# Altium PCB Kasli-DIOT.PCBDOC (part 10 of 21)
Units mm, origin at the board's own origin, x right, y up, seen from the top; angles counter-clockwise.
Board outline 222.34 x 100 mm, 10 copper layers (TopLayer, Layer 2, Layer 3, Layer 4, Layer 5, Layer 6, Layer 7, layer 8, Layer 9, BottomLayer), stack 1.564 mm thick; 974 components, 908 nets, 4662 pads, 2649 vias.
Unrouted connection lines stored in the file: 17.
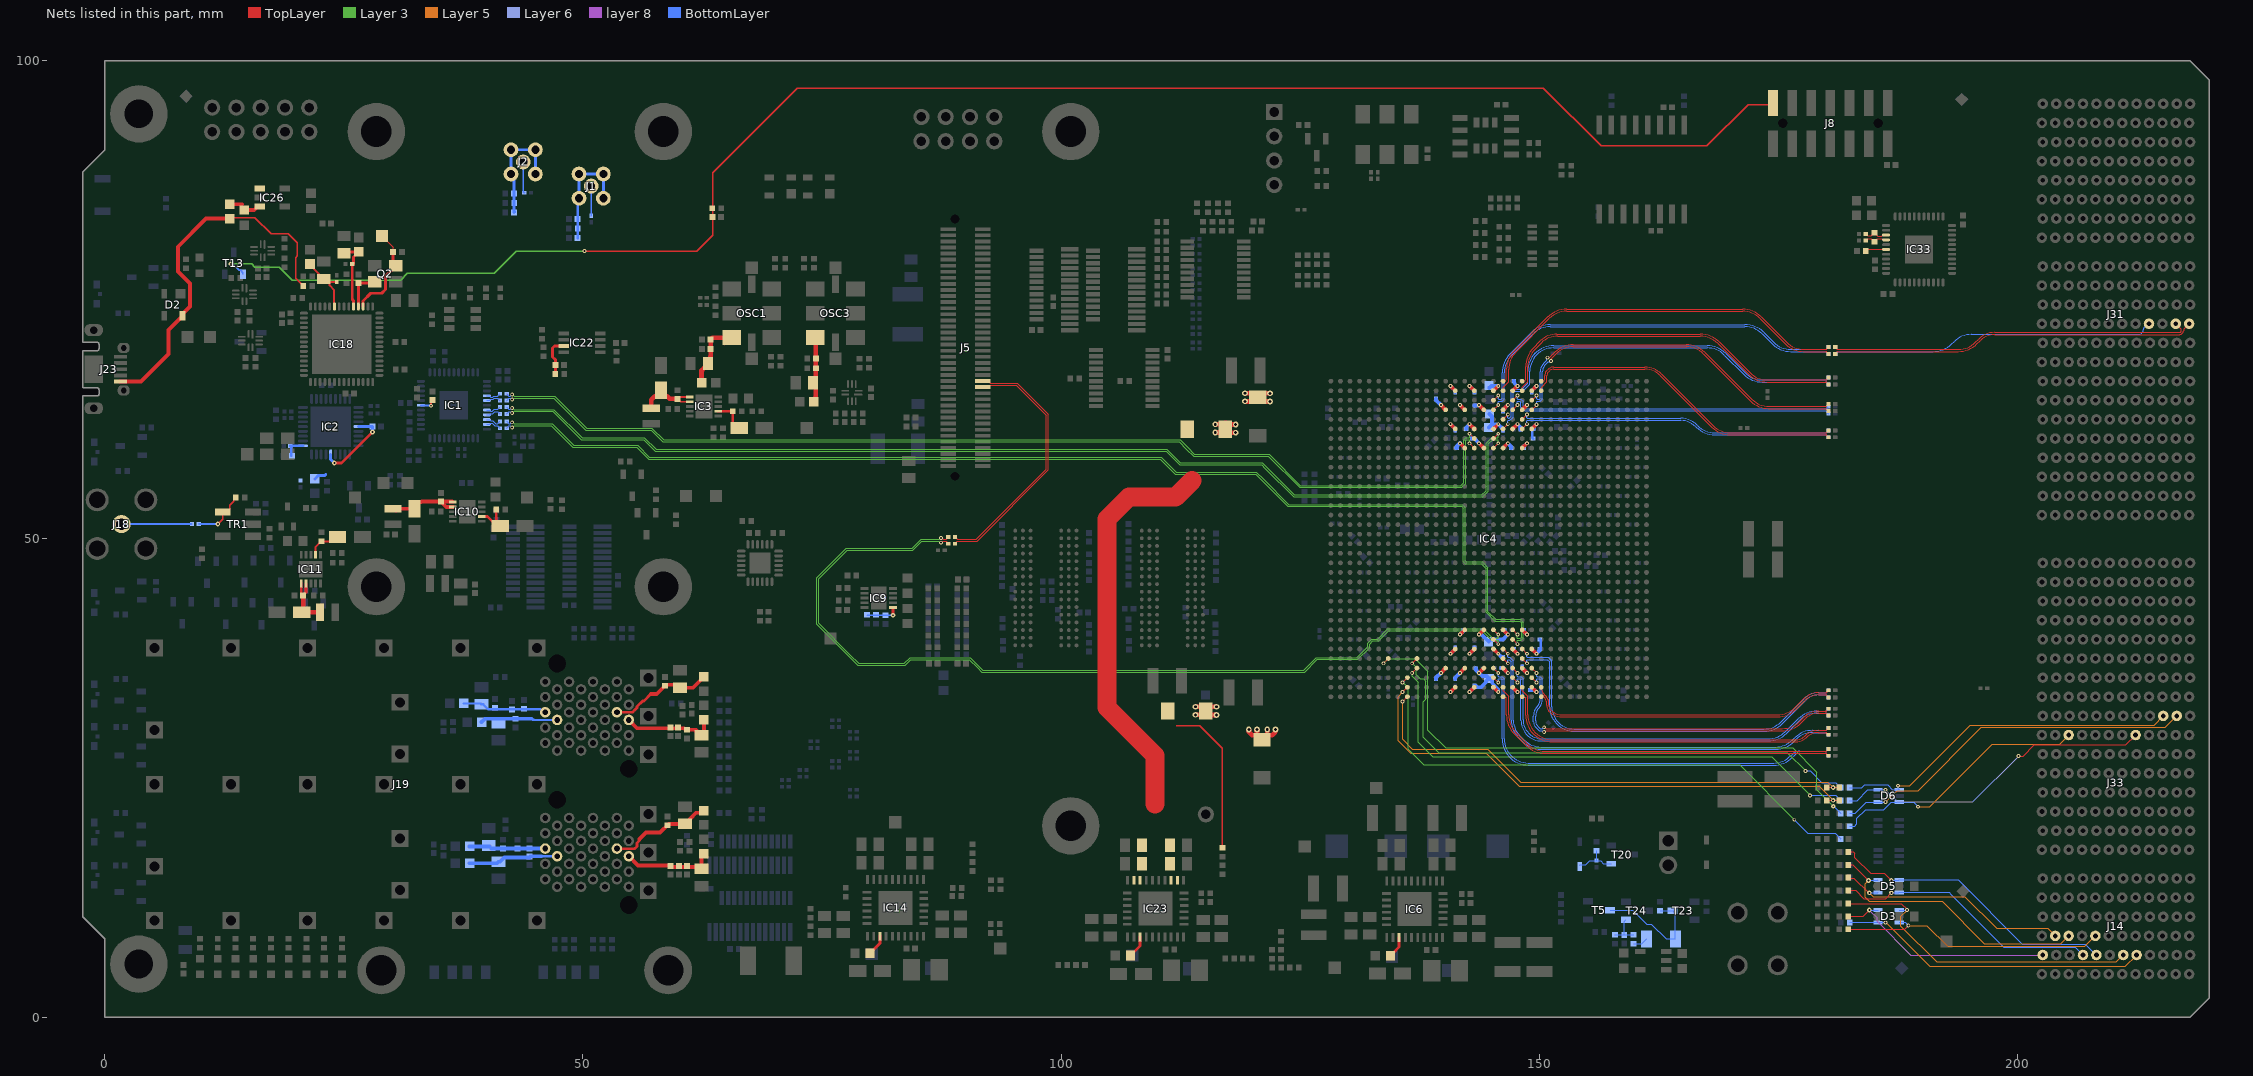
[diagram p18: the nets of this part, all layers, seen from the top]

## Via types
v1: diameter 0.4, hole 0.2, TopLayer to BottomLayer, tented both sides, 1661 vias
v2: diameter 0.5, hole 0.2, TopLayer to BottomLayer, tented both sides, 516 vias
v3: diameter 0.6, hole 0.3, TopLayer to BottomLayer, tented both sides, 175 vias
v4: diameter 0.6, hole 0.3, TopLayer to BottomLayer, 113 vias
v5: diameter 0.5, hole 0.2, TopLayer to BottomLayer, 110 vias
v6: diameter 0.4, hole 0.2, TopLayer to BottomLayer, 67 vias
v7: diameter 0.8, hole 0.5, TopLayer to BottomLayer, tented both sides, 7 vias

## Nets (pads, with @x,y where several pads share a name; then routed paths per layer and width w, separated by ;. In a path a pad name is that pad's centre, name@x,y a point inside that pad or via, vN(x,y) a via of type N, cw(c..) or ccw(c..) an arc to the next point about the centre after c; other vN are vias at no path point) (continued)
MGT8_RxC_P: C446.1 J31.D3 | length 34.1
  BottomLayer w0.095: C446.1@180.925,69.332 ccw(c180.925,69.393) 180.968,69.35 181.084,69.466 ccw(c181.04,69.511) 181.103,69.511 cw(c181.165,69.511) 181.121,69.555 cw(c181.211,69.466) 181.211,69.593 191.174,69.593 ccw(c191.174,72.353) 193.126,70.401 193.359,70.634 cw(c195.155,68.838) 195.155,71.378 212.628,71.378 ccw(c212.628,71.9) 213.15,71.9 cw(c213.588,71.9) 213.278,72.21 213.447,72.379 cw(c213.739,72.088) J31.D3@213.739,72.5
MGT8_Tx_N: C444.2 J31.B3 | length 37.9
  TopLayer w0.095: C444.2@180.925,70.075 cw(c180.925,70.015) 180.968,70.057 181.084,69.941 cw(c181.04,69.896) 181.103,69.896 ccw(c181.165,69.896) 181.121,69.852 ccw(c181.211,69.942) 181.211,69.815 193.799,69.815 ccw(c193.799,72.355) 195.595,70.559 195.943,70.907 cw(c197.615,69.235) 197.615,71.6 216.936,71.6 ccw(c216.936,71.792) 217.128,71.792 ccw(c216.84,71.792) 217.044,71.995 J31.B3@216.539,72.5
MGT8_Tx_P: C442.2 J31.A3 | length 38.3
  TopLayer w0.095: C442.2@180.925,69.332 ccw(c180.925,69.393) 180.968,69.35 181.084,69.466 ccw(c181.04,69.511) 181.103,69.511 cw(c181.165,69.511) 181.121,69.555 cw(c181.211,69.466) 181.211,69.593 193.8,69.593 ccw(c193.8,72.352) 195.751,70.401 196.1,70.75 cw(c197.616,69.234) 197.616,71.378 216.936,71.378 ccw(c216.936,71.792) 217.35,71.792 cw(c217.637,71.792) 217.434,71.995 J31.A3@217.939,72.5
MGT_CLK1.CLK_N: C402.2 IC4.AH20 | length 124.6
  TopLayer w0.095: IC4.AH20@147.2,39.5 v1(147.7,39)
  Layer 3 w0.075: v1(42.6,62.195) 42.644,62.195 42.806,62.033 46.772,62.033 49.029,59.775 55.725,59.775 56.944,58.556 108.65,58.556 110.455,58.556 111.418,57.593 112.036,56.975 120.411,56.975 121.109,56.277 123.784,53.602 125.898,53.602 138.484,53.602 141.959,53.602 142.068,53.493 142.25,53.311 142.25,47.7 142.3,47.65 142.348,47.602 144.009,47.602 144.168,47.443 144.625,46.986 144.625,42.402 145.425,41.602 148.034,41.602 148.218,41.418 148.336,41.3 148.336,39.634 148.1,39.399 147.744,39.399 147.7,39.355 v1(147.7,39)
  BottomLayer w0.095: C402.2@42.017,62.282 42.042,62.282 42.195,62.129 42.195,62.098 42.251,62.043 42.392,62.043 42.544,62.195 v1(42.6,62.195)
MGT_CLK1.CLK_P: C401.2 IC4.AG20 | length 123.9
  TopLayer w0.095: IC4.AG20@147.2,40.5 v1(147.7,40)
  Layer 3 w0.075: v1(42.6,61.668) 42.644,61.668 42.806,61.831 46.688,61.831 48.946,59.573 55.641,59.573 56.861,58.354 110.371,58.354 111.952,56.773 120.327,56.773 121.025,56.075 123.7,53.4 125.814,53.4 138.4,53.4 141.875,53.4 142.048,53.227 142.048,47.616 142.264,47.4 143.925,47.4 144.423,46.902 144.423,42.318 145.341,41.4 147.95,41.4 148.134,41.217 148.134,39.718 148.016,39.601 147.744,39.601 147.7,39.645 v1(147.7,40)
  BottomLayer w0.095: C401.2@42.017,61.582 42.042,61.582 42.195,61.734 42.195,61.765 42.251,61.821 42.392,61.821 42.544,61.668 v1(42.6,61.668)
MGT_CLK1_C_N: C402.1 IC1.42 | length 1.7
  BottomLayer w0.095: IC1.42@39.95,62.478 40.244,62.478 40.383,62.339 40.592,62.339 40.829,62.102 40.829,62.098 40.885,62.043 41.084,62.043 41.14,62.098 41.14,62.129 41.292,62.282 C402.1@41.317,62.282
MGT_CLK1_C_P: C401.1 IC1.43 | length 1.7
  BottomLayer w0.095: IC1.43@39.95,61.978 40.244,61.978 40.383,62.117 40.5,62.117 40.607,62.01 40.607,62.006 40.793,61.821 41.084,61.821 41.14,61.765 41.14,61.734 41.292,61.582 C401.1@41.317,61.582
MGT_CLK2.CLK_N: C14.2 IC4.G18 | length 114.1
  TopLayer w0.095: IC4.G18@145.2,60.5 v1(145.7,61)
  Layer 3 w0.075: v1(42.6,63.692) 42.644,63.692 42.806,63.53 46.945,63.53 49.9,60.575 56.425,60.575 57.644,59.356 110.275,59.356 111.055,59.356 111.893,58.518 112.461,57.95 121.036,57.95 121.384,57.602 124.386,54.6 126.5,54.6 144,54.6 144.448,55.048 144.448,60.033 145.016,60.601 145.656,60.601 145.7,60.645 v1(145.7,61)
  BottomLayer w0.095: C14.2@42.017,63.782 42.042,63.782 42.195,63.629 42.195,63.595 42.251,63.54 42.392,63.54 42.544,63.692 v1(42.6,63.692)
MGT_CLK2.CLK_P: C5.2 IC4.H18 | length 114.1
  TopLayer w0.095: IC4.H18@145.2,59.5 v1(145.7,60)
  Layer 3 w0.075: v1(42.6,63.165) 42.644,63.165 42.806,63.328 46.862,63.328 49.816,60.373 56.341,60.373 57.561,59.154 110.971,59.154 112.377,57.748 120.952,57.748 121.3,57.4 124.302,54.398 129.5,54.398 144.084,54.398 144.65,54.964 144.65,59.949 145.1,60.399 145.656,60.399 145.7,60.355 v1(145.7,60)
  BottomLayer w0.095: C5.2@42.017,63.076 42.042,63.076 42.195,63.228 42.195,63.262 42.251,63.318 42.392,63.318 42.544,63.165 v1(42.6,63.165)
MGT_CLK2_C_N: C14.1 IC1.40 | length 1.6
  BottomLayer w0.095: IC1.40@39.95,63.478 40.244,63.478 40.383,63.339 40.5,63.339 40.7,63.54 41.084,63.54 41.14,63.595 41.14,63.629 41.292,63.782 C14.1@41.317,63.782
MGT_CLK2_C_P: C5.1 IC1.41 | length 1.6
  BottomLayer w0.095: IC1.41@39.95,62.978 40.244,62.978 40.383,63.117 40.592,63.117 40.792,63.318 41.084,63.318 41.14,63.262 41.14,63.228 41.292,63.076 C5.1@41.317,63.076
MGT_CLK3.CLK_N: C479.2 IC4.G16 | length 110.6
  TopLayer w0.095: v1(142.7,61) IC4.G16@143.2,60.5
  Layer 3 w0.075: v1(42.6,65.094) 42.644,65.094 42.806,64.931 47.029,64.931 50.386,61.575 57.211,61.575 58.43,60.356 67.407,60.356 68.697,60.356 68.723,60.357 cw(c68.728,60.283) 68.745,60.356 68.831,60.356 68.993,60.356 111.2,60.356 112.43,60.356 113.168,59.618 113.936,58.85 121.75,58.85 125.011,55.589 141.805,55.589 142.098,55.883 142.098,60.396 142.303,60.601 142.656,60.601 142.7,60.645 v1(142.7,61)
  BottomLayer w0.095: C479.2@42.022,65.187 42.047,65.187 42.199,65.034 42.199,64.997 42.255,64.941 42.392,64.941 42.544,65.094 v1(42.6,65.094)
MGT_CLK3.CLK_P: C421.2 IC4.H16 | length 110.6
  TopLayer w0.095: v1(142.7,60) IC4.H16@143.2,59.5
  Layer 3 w0.075: v1(42.6,64.567) 42.644,64.567 42.806,64.729 46.946,64.729 50.302,61.373 57.127,61.373 58.346,60.154 68.697,60.154 111.2,60.154 112.346,60.154 113.096,59.404 113.852,58.648 121.666,58.648 124.927,55.387 141.888,55.387 142.3,55.799 142.3,60.312 142.387,60.399 142.656,60.399 142.7,60.355 v1(142.7,60)
  BottomLayer w0.095: C421.2@42.022,64.474 42.047,64.474 42.199,64.627 42.199,64.664 42.255,64.719 42.392,64.719 42.544,64.567 v1(42.6,64.567)
MGT_CLK3_C_N: C479.1 IC1.37 | length 1.6
  BottomLayer w0.095: IC1.37@39.95,64.978 40.244,64.978 40.383,64.839 40.545,64.839 40.647,64.941 41.089,64.941 41.144,64.997 41.144,65.034 41.297,65.187 C479.1@41.322,65.187
MGT_CLK3_C_P: C421.1 IC1.38 | length 1.6
  BottomLayer w0.095: IC1.38@39.95,64.478 40.244,64.478 40.383,64.617 40.637,64.617 40.739,64.719 41.089,64.719 41.144,64.664 41.144,64.627 41.297,64.474 C421.1@41.322,64.474
MGT_CLK_ext_C_N: C395.2 IC4.AH18 | length 97.8
  TopLayer w0.095: v6(87.45,50.112) 87.519,50.112 87.658,49.973 87.967,49.973 88.022,50.029 88.022,50.068 88.175,50.221 C395.2@88.2,50.221 ; IC4.AH18@145.2,39.5 v1(145.7,39)
  Layer 3 w0.075: v6(87.45,50.112) 87.393,50.112 87.244,49.963 85.352,49.963 84.416,49.027 77.541,49.027 74.448,45.934 74.448,41.091 77.907,37.632 78.741,36.798 83.698,36.798 84.29,37.39 90.399,37.39 91.207,36.582 91.716,36.073 125.448,36.073 126.773,37.398 131.014,37.398 132.239,38.624 132.239,39.017 132.56,39.337 133.188,39.337 134.25,40.4 144.023,40.4 145.024,39.399 145.249,39.399 145.656,39.399 145.7,39.355 v1(145.7,39)
MGT_CLK_ext_C_P: C394.2 IC4.AG18 | length 97.2
  TopLayer w0.095: v6(87.45,49.612) 87.519,49.612 87.658,49.751 87.967,49.751 88.022,49.695 88.022,49.656 88.175,49.503 C394.2@88.2,49.503 ; IC4.AG18@145.2,40.5 v1(145.7,40)
  Layer 3 w0.075: v6(87.45,49.612) 87.393,49.612 87.244,49.761 85.436,49.761 84.5,48.825 77.625,48.825 74.65,45.85 74.65,41.175 77.907,37.918 78.825,37 83.614,37 84.207,37.592 90.483,37.592 91.207,36.868 91.8,36.275 125.364,36.275 126.689,37.6 130.93,37.6 132.037,38.708 132.037,39.1 132.477,39.539 133.104,39.539 134.166,40.602 144.107,40.602 145.108,39.601 145.333,39.601 145.656,39.601 145.7,39.645 v1(145.7,40)
MGT_CLK_ext_N: C395.1 J5.53 | length 26.4
  TopLayer w0.095: C395.1@88.9,50.221 88.925,50.221 89.077,50.068 89.077,50.029 89.133,49.973 91.109,49.973 98.45,57.314 98.45,62.95 95.321,66.079 92.607,66.079 92.4,65.872 J5.53@91.8,65.872
MGT_CLK_ext_P: C394.1 J5.51 | length 27.1
  TopLayer w0.095: C394.1@88.9,49.503 88.925,49.503 89.077,49.656 89.077,49.695 89.133,49.751 91.201,49.751 98.672,57.222 98.672,63.042 95.413,66.301 92.607,66.301 92.4,66.507 J5.51@91.8,66.507
MGTAVCC: C303.2 C304.2 C385.2 C386.2 FB3.1 FB4.1 IC23.8 IC23.9 IC23.14 IC23.15 R5.2 | length 58.6
  TopLayer w0.15: 112.025,30.45 114.5,30.45 116.85,28.1 R5.2@116.85,17.72
  TopLayer w2: 109.825,22.305 109.825,27.35 104.775,32.4 104.775,52.075 107.075,54.375 111.95,54.375 113.675,56.1
MGTAVCC_G10: C50.2 C320.2 C322.2 C323.2 C324.2 C325.2 C326.2 C327.2 C330.2 C331.2 FB3.2 IC4.AG15 IC4.AG17 IC4.AG19 IC4.AG21 IC4.AJ14 IC4.AJ16 IC4.AJ18 IC4.AJ20 | length 23.1
  TopLayer w0.4: v1(140.7,38) IC4.AJ14@141.2,38.5 ; v1(141.7,40) IC4.AG15@142.2,40.5 ; v1(142.7,38) IC4.AJ16@143.2,38.5 ; v1(143.7,40) IC4.AG17@144.2,40.5 ; IC4.AJ18@145.2,38.5 v1(145.7,38) ; IC4.AG19@146.2,40.5 v1(146.7,40) ; IC4.AJ20@147.2,38.5 v1(147.7,38) ; IC4.AG21@148.2,40.5 v1(148.7,40)
  TopLayer w0.5: v3(114.033,31.611) FB3.2@114.833,31.611 ; v3(114.033,32.461) FB3.2@114.833,32.461 ; FB3.2@115.45,31.602 v3(116.25,31.602) ; FB3.2@115.45,32.452 v3(116.25,32.452)
  BottomLayer w0.4: v3(114.033,31.611) 114.509,31.611 114.798,31.9 114.8,31.9 C50.2@115.075,32.175 ; v3(114.033,32.461) 114.071,32.422 114.828,32.422 C50.2@115.075,32.175 ; v3(116.25,31.602) 115.666,31.602 115.369,31.9 115.35,31.9 C50.2@115.075,32.175 ; v3(116.25,32.452) 115.705,32.452 115.703,32.45 115.35,32.45 C50.2@115.075,32.175 ; v1(140.7,38) 141.2,38.5 C331.2@141.2,38.65 ; v1(141.7,40) 142.025,40.325 142.025,40.5 C330.2@142.05,40.5 ; v1(142.7,38) 143.227,38.527 C322.2@143.227,38.65 ; v1(143.7,40) 143.952,40 C320.2@144.702,39.25 144.952,39.5 146.2,39.5 v1(146.7,40) 146.375,40.325 146.375,40.5 C326.2@146.35,40.5 ; v1@143.838,40.113 144.025,40.3 144.025,40.5 C327.2@144.05,40.5 ; v1(145.7,38) 146.025,37.675 146.2,37.675 C324.2@146.2,37.65 ; C323.2@147.365,38.485 147.365,38.335 v1(147.7,38) ; C325.2@148.35,40.5 148.375,40.5 148.375,40.325 v1(148.7,40)
MGTAVCC_G11: C319.2 C332.2 C340.2 C341.2 C342.2 C343.2 C344.2 C345.2 C349.2 C350.2 FB4.2 IC4.F14 IC4.F16 IC4.F18 IC4.F20 IC4.H15 IC4.H17 IC4.H19 IC4.H21 | length 18
  TopLayer w0.4: v1(140.7,62) IC4.F14@141.2,61.5 ; v1(141.7,60) IC4.H15@142.2,59.5 ; v1(142.7,62) IC4.F16@143.2,61.5 ; v1(143.7,60) IC4.H17@144.2,59.5 ; IC4.F18@145.2,61.5 v1(145.7,62) ; IC4.H19@146.2,59.5 v1(146.7,60) ; IC4.F20@147.2,61.5 v1(147.7,62) ; IC4.H21@148.2,59.5 v1(148.7,60)
  TopLayer w0.5: v3(116.108,61.136) FB4.2@116.908,61.136 ; v3(116.108,61.986) FB4.2@116.908,61.986 ; FB4.2@117.175,62.125 117.323,61.977 FB4.2@117.525,61.977 ; FB4.2@117.442,61.114 v3(118.242,61.114) ; FB4.2@117.442,61.964 v3(118.242,61.964) ; FB4.2@117.525,61.127 FB4.2@117.525,61.615
  BottomLayer w0.4: v1(140.7,62) 141.2,61.5 C344.2@141.2,61.35 ; C340.2@141.35,59.5 141.375,59.5 141.375,59.712 v1@141.69,60.027 ; C350.2@142.35,61.506 142.35,61.681 142.669,62 v1(142.7,62) ; C345.2@142.95,60.5 143.2,60.5 v1(143.7,60) ; C332.2@144.7,61.65 C332.2@144.975,61.925 ; C319.2@144.775,63.075 145.05,62.8 145.05,62 v1(145.7,62) 146.2,61.5 C349.2@146.2,61.35 ; v1(146.7,60) 146.875,59.824 147.025,59.674 147.025,59.5 C341.2@147.05,59.5 ; v1(147.7,62) 148.022,61.678 148.022,61.431 C343.2@148.047,61.431 ; C342.2@148.35,59.54 148.35,59.676 148.674,60 v1(148.7,60)
MGTAVTT_G10: C97.2 C101.2 C112.2 C113.2 C114.2 C115.2 C116.2 C328.2 C329.2 FB2.2 IC4.AJ22 IC4.AL13 IC4.AL15 IC4.AL17 IC4.AL19 IC4.AL21 IC4.AN14 IC4.AN16 IC4.AN18 IC4.AN20 IC4.AN22 R160.2 | length 24.5
  TopLayer w0.4: v1(139.7,36) IC4.AL13@140.2,36.5 ; v1(140.7,34) IC4.AN14@141.2,34.5 ; v1(141.7,36) IC4.AL15@142.2,36.5 ; v1(142.7,34) IC4.AN16@143.2,34.5 ; v1(143.7,36) IC4.AL17@144.2,36.5 ; IC4.AN18@145.2,34.5 v1(145.7,34) ; IC4.AL19@146.2,36.5 v1(146.7,36) ; IC4.AN20@147.2,34.5 v1(147.7,34) ; IC4.AL21@148.2,36.5 v1(148.7,36) ; IC4.AN22@149.2,34.5 v1(149.7,34) ; IC4.AJ22@149.2,38.5 v1(149.7,38)
  TopLayer w0.5: v3(119.623,30.075) 119.642,30.056 119.642,29.799 119.966,29.475 120.35,29.475 FB2.2@120.473,29.352 ; FB2.2@120.473,29.345 v3(120.473,30.075) ; v3(121.548,30.075) 121.548,29.324 121.548,29.373 121.65,29.475 122.055,29.475 122.379,29.799 122.379,30.029 122.406,30.056 v3@122.417,30.056
  BottomLayer w0.254: C113.2@150.025,38.322 150.127,38.424 150.127,39.417 150.044,39.5 R160.2@150.03,39.5
  BottomLayer w0.4: C116.2@139.2,35.35 139.2,35.5 v1(139.7,36) ; C114.2@141.2,35.35 141.2,35.5 v1(141.7,36) ; v1(142.7,34) 143.2,34.5 C115.2@143.2,34.625 ; C115.2@143.2,34.65 C115.2@143.2,34.625 ; C112.2@143.35,36.475 143.375,36.475 143.375,36.301 143.676,36 v1(143.7,36) 144.025,35.675 144.477,35.675 C101.2@144.752,35.4 ; v1(145.7,34) 145.7,34.293 145.077,34.916 145.077,35.125 144.802,35.4 C101.2@144.752,35.4 ; C329.2@146.05,36.5 146.2,36.5 v1(146.7,36) ; C97.2@148.2,36.65 148.2,36.5 v1(148.7,36) ; C328.2@149,34.2 149,34.175 149.525,34.175 v1(149.7,34) ; v1(149.7,38) 149.703,38 C113.2@150.025,38.322 ; C115.2@143.2,34.625 143.368,34.625 143.493,34.5 143.907,34.5 144.427,35.02 144.427,35.125 144.702,35.4 C101.2@144.752,35.4
  other v3: 122.398,30.075
MGTAVTT_G11: C321.2 C333.2 C334.2 C335.2 C336.2 C337.2 C338.2 C347.2 C348.2 FB1.2 IC4.B14 IC4.B16 IC4.B18 IC4.B20 IC4.B22 IC4.D13 IC4.D15 IC4.D17 IC4.D19 IC4.D21 IC4.F22 R161.2 | length 19.3
  TopLayer w0.4: v1(139.7,64) IC4.D13@140.2,63.5 ; v1(140.7,66) IC4.B14@141.2,65.5 ; v1(141.7,64) IC4.D15@142.2,63.5 ; v1(142.7,66) IC4.B16@143.2,65.5 ; v1(143.7,64) IC4.D17@144.2,63.5 ; IC4.B18@145.2,65.5 v1(145.7,66) ; IC4.D19@146.2,63.5 v1(146.7,64) ; IC4.B20@147.2,65.5 v1(147.7,66) ; IC4.D21@148.2,63.5 v1(148.7,64) ; IC4.F22@149.2,61.5 v1(149.7,62) ; IC4.B22@149.2,65.5 v1(149.7,66)
  TopLayer w0.5: v3@119.383,64.386 FB1.2@120.183,64.386 ; v3@119.383,65.236 FB1.2@120.183,65.236 ; FB1.2@121.025,64.377 v3(121.825,64.377) ; FB1.2@121.025,65.227 v3(121.825,65.227)
  BottomLayer w0.254: C338.2@149.35,61.5 149.346,61.5 149.273,61.427 149.273,60.583 149.356,60.5 R161.2@149.37,60.5
  BottomLayer w0.4: C334.2@139.2,64.65 139.2,64.5 v1(139.7,64) ; v1(140.7,66) 141.2,65.5 C333.2@141.2,65.35 ; v1(142.7,66) 143.2,65.5 C336.2@143.2,65.35 ; C337.2@143.2,63.95 143.2,63.962 143.662,63.962 v1(143.7,64) ; C321.2@144.75,65.775 144.975,66 v1(145.7,66) ; C335.2@146.2,63.35 146.2,63.5 v1(146.7,64) ; C348.2@147.35,66.5 147.375,66.5 147.375,66.333 147.43,66.278 147.43,66.234 147.664,66 v1(147.7,66) ; C347.2@149.2,65.35 149.2,65.5 v1(149.7,66) ; C338.2@149.35,61.5 149.375,61.5 149.375,61.675 v1(149.7,62)
  other v3: 119.233,64.386 119.233,65.236
MGTC1_Rx_N: C450.2 IC4.AM18 | length 43.8
  TopLayer w0.095: IC4.AM18@145.2,35.5 v1(145.7,35)
  BottomLayer w0.095: v1(145.7,35) 145.7,35.333 145.756,35.389 146.001,35.389 146.1,35.29 146.1,29.111 ccw(c148.858,29.111) 148.858,26.353 174.485,26.353 ccw(c174.485,29.112) 176.436,27.161 176.575,27.3 cw(c177.242,26.633) 177.242,27.576 179.935,27.576 cw(c179.935,27.439) 180.032,27.536 cw(c179.995,27.499) 180.048,27.499 ccw(c180.1,27.499) 180.063,27.462 180.182,27.343 ccw(c180.225,27.385) C450.2@180.225,27.325
MGTC1_Rx_P: C449.2 IC4.AL18 | length 43.9
  TopLayer w0.095: IC4.AL18@145.2,36.5 v1(145.7,36)
  BottomLayer w0.095: v1(145.7,36) 145.7,35.667 145.756,35.611 146.093,35.611 146.322,35.382 146.322,29.115 ccw(c148.862,29.115) 148.862,26.575 174.484,26.575 ccw(c174.484,29.115) 176.28,27.319 176.418,27.457 cw(c177.242,26.634) 177.242,27.798 179.935,27.798 ccw(c179.935,27.936) 180.032,27.839 ccw(c179.995,27.876) 180.048,27.876 cw(c180.1,27.876) 180.063,27.913 180.182,28.032 cw(c180.225,27.99) C449.2@180.225,28.05
MGTC1_Tx_N: C70.1 IC4.AP19 | length 38.1
  TopLayer w0.095: IC4.AP19@146.2,33.5 146.267,33.433 146.498,33.433 146.553,33.377 146.553,31.595 ccw(c149.314,31.595) 147.361,29.644 ccw(c149.314,31.595) 147.362,29.643 148.62,28.385 ccw(c150.572,30.337) 148.623,28.382 ccw(c150.572,30.337) 150.572,27.576 179.935,27.576 cw(c179.935,27.439) 180.032,27.536 cw(c179.995,27.499) 180.048,27.499 ccw(c180.1,27.499) 180.063,27.462 180.182,27.343 ccw(c180.225,27.385) C70.1@180.225,27.325
MGTC1_Tx_P: C63.1 IC4.AN19 | length 38.7
  TopLayer w0.095: IC4.AN19@146.2,34.5 146.232,34.468 146.232,34.123 146.776,33.579 146.776,31.595 ccw(c149.316,31.595) 147.519,29.799 148.776,28.542 ccw(c150.572,30.338) 150.572,27.798 179.935,27.798 ccw(c179.935,27.936) 180.032,27.839 ccw(c179.995,27.876) 180.048,27.876 cw(c180.1,27.876) C63.1@180.063,27.913 ; C63.1@180.063,27.913 180.182,28.032 cw(c180.225,27.99) C63.1@180.225,28.05
MGTC2_Rx_N: C411.2 IC4.AK19 | length 43
  TopLayer w0.095: IC4.AK19@146.2,37.5 v1(146.7,37)
  BottomLayer w0.095: v1(146.7,37) 146.7,37.333 146.756,37.389 146.834,37.389 147.048,37.176 147.048,31.067 ccw(c149.59,31.067) 147.792,29.269 148.227,28.834 ccw(c150.179,30.786) 150.175,28.025 ccw(c150.179,30.786) 150.179,28.025 174.684,28.025 ccw(c174.684,30.781) 176.633,28.833 176.85,29.05 cw(c178.574,27.326) 178.574,29.764 179.929,29.764 cw(c179.929,29.611) 180.037,29.719 cw(c180.01,29.693) 180.048,29.693 ccw(c180.085,29.693) 180.058,29.667 180.182,29.543 ccw(c180.225,29.585) C411.2@180.225,29.525
MGTC2_Rx_P: C410.2 IC4.AJ19 | length 43.1
  TopLayer w0.095: IC4.AJ19@146.2,38.5 v1(146.7,38)
  BottomLayer w0.095: v1(146.7,38) 146.7,37.667 146.756,37.611 146.926,37.611 147.27,37.268 147.27,31.068 ccw(c149.593,31.068) 147.95,29.425 148.384,28.991 ccw(c150.18,30.788) 150.18,28.248 174.681,28.248 ccw(c174.681,30.788) 176.477,28.991 176.693,29.207 cw(c178.573,27.328) 178.573,29.986 179.929,29.986 ccw(c179.929,30.139) 180.037,30.031 ccw(c180.01,30.057) 180.048,30.057 cw(c180.085,30.057) 180.058,30.083 180.182,30.207 cw(c180.225,30.165) C410.2@180.225,30.225
MGTC2_Tx_N: C72.1 IC4.AP21 | length 35.8
  TopLayer w0.095: IC4.AP21@148.2,33.5 148.267,33.433 148.498,33.433 148.554,33.377 148.554,31.585 ccw(c151.278,31.585) 149.352,29.658 149.423,29.587 ccw(c151.375,31.538) 149.426,29.584 ccw(c151.375,31.538) 151.371,28.778 ccw(c151.375,31.538) 151.375,28.778 176.822,28.778 ccw(c176.822,30.302) 177.899,29.224 ; 177.9,29.225 cw(c179.201,27.924) 179.201,29.764 179.929,29.764 cw(c179.929,29.611) 180.037,29.719 cw(c180.01,29.693) 180.048,29.693 ccw(c180.085,29.693) 180.058,29.667 180.182,29.543 ccw(c180.225,29.585) C72.1@180.225,29.525
MGTC2_Tx_P: C71.1 IC4.AN21 | length 36.4
  TopLayer w0.095: IC4.AN21@148.2,34.5 148.232,34.468 148.232,34.123 148.776,33.579 148.776,31.6 ccw(c151.316,31.6) 149.519,29.804 149.58,29.744 ccw(c151.376,31.54) 151.376,29 176.821,29 ccw(c176.821,30.304) 177.743,29.382 177.745,29.384 cw(c179.198,27.931) 179.198,29.986 179.929,29.986 ccw(c179.929,30.139) 180.037,30.031 ccw(c180.01,30.057) 180.048,30.057 cw(c180.085,30.057) 180.058,30.083 180.182,30.207 cw(c180.225,30.165) C71.1@180.225,30.225
MGTC3_Rx_N: C437.2 IC4.AM20 | length 40.2
  TopLayer w0.095: IC4.AM20@147.2,35.5 v1(147.7,35)
  BottomLayer w0.095: v1(147.7,35) 147.7,35.333 147.756,35.389 147.998,35.389 148.075,35.313 148.075,31.028 ccw(c150.225,31.028) 148.107,30.657 ccw(c150.225,31.028) 149.854,28.91 ccw(c150.225,31.028) 150.225,28.878 173.91,28.878 ccw(c173.91,31.637) 175.861,29.686 177.208,31.033 cw(c179.004,29.236) 179.004,31.776 179.935,31.776 cw(c179.935,31.639) 180.032,31.736 cw(c179.995,31.699) 180.048,31.699 ccw(c180.1,31.699) 180.063,31.662 180.182,31.543 ccw(c180.225,31.585) C437.2@180.225,31.525
MGTC3_Rx_P: C258.2 IC4.AL20 | length 40.2
  TopLayer w0.095: IC4.AL20@147.2,36.5 v1(147.7,36)
  BottomLayer w0.095: v1(147.7,36) 147.7,35.667 147.756,35.611 148.09,35.611 148.297,35.405 148.297,31.12 ccw(c150.317,31.12) 148.331,30.747 ccw(c150.317,31.12) 149.943,29.135 ccw(c150.317,31.12) 150.317,29.1 173.909,29.1 ccw(c173.909,31.64) 175.705,29.844 177.051,31.19 cw(c179.002,29.239) 179.002,31.998 179.935,31.998 ccw(c179.935,32.136) 180.032,32.039 ccw(c179.995,32.076) 180.048,32.076 cw(c180.1,32.076) 180.063,32.113 180.182,32.232 cw(c180.225,32.19) C258.2@180.225,32.25
MGTC3_Tx_N: C230.1 IC4.AM22 | length 38.3
  TopLayer w0.095: IC4.AM22@149.2,35.5 v1(149.7,35) ; v6(150.5,29.811) 150.569,29.811 150.708,29.95 150.875,29.95 175.408,29.95 ccw(c175.408,32.71) 177.359,30.759 177.8,31.2 cw(c179.192,29.808) 179.192,31.776 179.935,31.776 cw(c179.935,31.639) 180.032,31.736 cw(c179.995,31.699) 180.048,31.699 ccw(c180.1,31.699) 180.063,31.662 180.182,31.543 ccw(c180.225,31.585) C230.1@180.225,31.525
  BottomLayer w0.095: v1(149.7,35) 149.7,35.333 149.756,35.389 149.98,35.389 150.1,35.269 150.1,33.219 cw(c149.089,33.219) 149.805,32.505 149.803,32.503 ccw(c150.828,31.477) 149.378,31.477 149.378,30.904 ccw(c150.202,30.904) 149.619,30.322 149.991,29.95 150.292,29.95 150.431,29.811 v6(150.5,29.811)
MGTC3_Tx_P: C73.1 IC4.AL22 | length 38.3
  TopLayer w0.095: IC4.AL22@149.2,36.5 v1(149.7,36) ; v6(150.5,30.311) 150.569,30.311 150.708,30.172 150.875,30.172 175.406,30.172 ccw(c175.406,32.712) 177.202,30.916 177.645,31.359 cw(c179.189,29.815) 179.189,31.998 179.935,31.998 ccw(c179.935,32.136) 180.032,32.039 ccw(c179.995,32.076) 180.048,32.076 cw(c180.1,32.076) 180.063,32.113 180.182,32.232 cw(c180.225,32.19) C73.1@180.225,32.25
  BottomLayer w0.095: v1(149.7,36) 149.7,35.667 149.756,35.611 150.072,35.611 150.322,35.361 150.322,33.218 cw(c149.091,33.218) 149.963,32.349 cw(c149.091,33.218) 149.961,32.347 ; 149.961,32.347 ccw(c150.834,31.475) 149.6,31.475 149.6,30.996 ccw(c150.424,30.996) 149.841,30.414 150.082,30.172 150.292,30.172 150.431,30.311 v6(150.5,30.311)